# KiCad board panel2.kicad_pcb (continued)
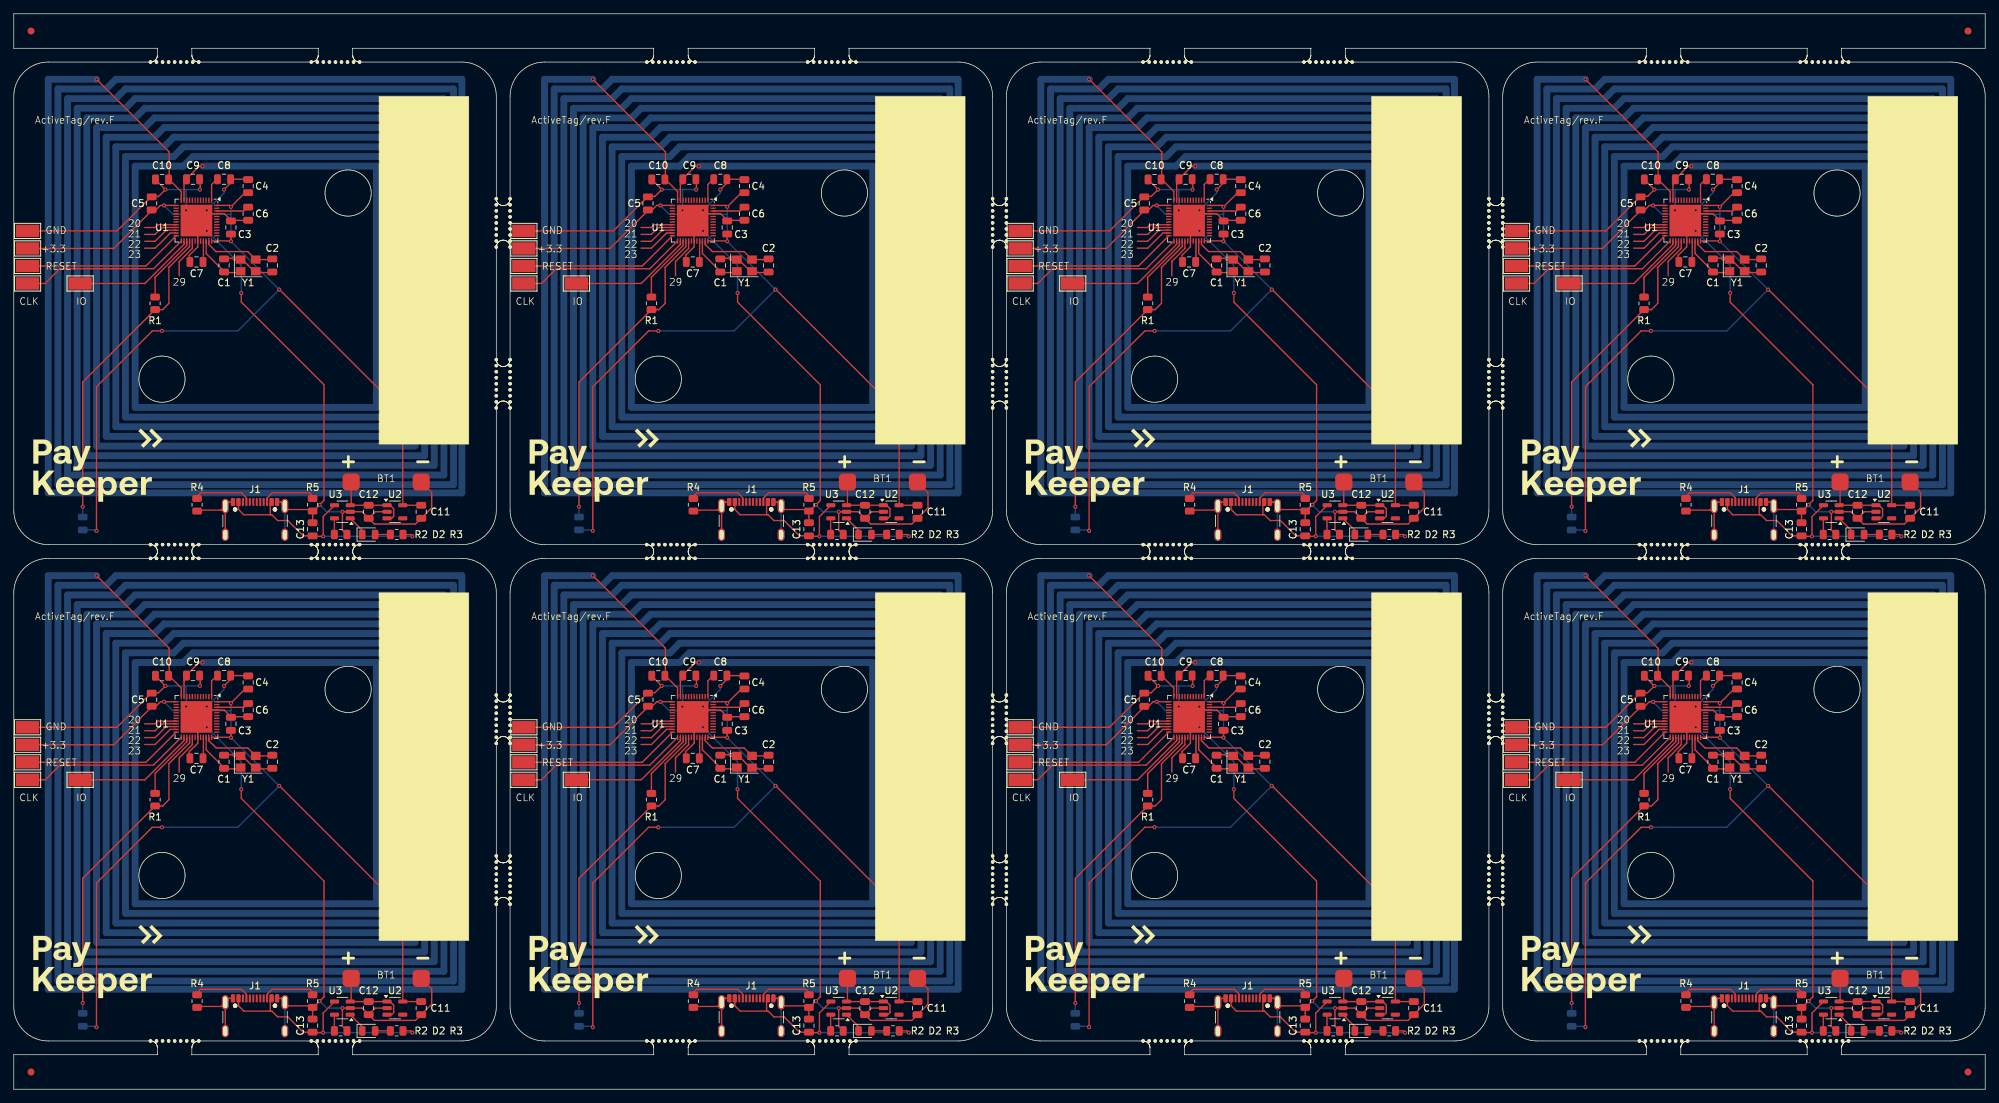
[diagram p0: board, top side]
## Placement (name value [footprint] x y rotation side) (continued)
KiKit_MB_35_7  -  [NPTH]  72 55.42 0 top
KiKit_MB_35_8  -  [NPTH]  72 56.29 0 top
KiKit_MB_35_9  -  [NPTH]  72 57.17 0 top
KiKit_MB_36_1  -  [NPTH]  72 26.83 0 top
KiKit_MB_36_2  -  [NPTH]  72 27.71 0 top
KiKit_MB_36_3  -  [NPTH]  72 28.58 0 top
KiKit_MB_36_4  -  [NPTH]  72 29.46 0 top
KiKit_MB_36_5  -  [NPTH]  72 30.34 0 top
KiKit_MB_36_6  -  [NPTH]  72 31.21 0 top
KiKit_MB_36_7  -  [NPTH]  72 32.09 0 top
KiKit_MB_36_8  -  [NPTH]  72 32.96 0 top
KiKit_MB_36_9  -  [NPTH]  72 33.84 0 top
KiKit_MB_37_1  -  [NPTH]  142 57.17 0 top
KiKit_MB_37_2  -  [NPTH]  142 56.29 0 top
KiKit_MB_37_3  -  [NPTH]  142 55.42 0 top
KiKit_MB_37_4  -  [NPTH]  142 54.54 0 top
KiKit_MB_37_5  -  [NPTH]  142 53.67 0 top
KiKit_MB_37_6  -  [NPTH]  142 52.79 0 top
KiKit_MB_37_7  -  [NPTH]  142 51.92 0 top
KiKit_MB_37_8  -  [NPTH]  142 51.04 0 top
KiKit_MB_37_9  -  [NPTH]  142 50.17 0 top
KiKit_MB_38_1  -  [NPTH]  142 33.84 0 top
KiKit_MB_38_2  -  [NPTH]  142 32.96 0 top
KiKit_MB_38_3  -  [NPTH]  142 32.09 0 top
KiKit_MB_38_4  -  [NPTH]  142 31.21 0 top
KiKit_MB_38_5  -  [NPTH]  142 30.34 0 top
KiKit_MB_38_6  -  [NPTH]  142 29.46 0 top
KiKit_MB_38_7  -  [NPTH]  142 28.58 0 top
KiKit_MB_38_8  -  [NPTH]  142 27.71 0 top
KiKit_MB_38_9  -  [NPTH]  142 26.83 0 top
KiKit_MB_39_1  -  [NPTH]  91.83 77 0 top
KiKit_MB_39_2  -  [NPTH]  92.71 77 0 top
KiKit_MB_39_3  -  [NPTH]  93.58 77 0 top
KiKit_MB_39_4  -  [NPTH]  94.46 77 0 top
KiKit_MB_39_5  -  [NPTH]  95.33 77 0 top
KiKit_MB_39_6  -  [NPTH]  96.21 77 0 top
KiKit_MB_39_7  -  [NPTH]  97.08 77 0 top
KiKit_MB_39_8  -  [NPTH]  97.96 77 0 top
KiKit_MB_39_9  -  [NPTH]  98.83 77 0 top
KiKit_MB_40_1  -  [NPTH]  115.17 77 0 top
KiKit_MB_40_2  -  [NPTH]  116.04 77 0 top
KiKit_MB_40_3  -  [NPTH]  116.92 77 0 top
KiKit_MB_40_4  -  [NPTH]  117.79 77 0 top
KiKit_MB_40_5  -  [NPTH]  118.67 77 0 top
KiKit_MB_40_6  -  [NPTH]  119.54 77 0 top
KiKit_MB_40_7  -  [NPTH]  120.42 77 0 top
KiKit_MB_40_8  -  [NPTH]  121.29 77 0 top
KiKit_MB_40_9  -  [NPTH]  122.17 77 0 top
KiKit_MB_41_1  -  [NPTH]  98.83 7 0 top
KiKit_MB_41_2  -  [NPTH]  97.96 7 0 top
KiKit_MB_41_3  -  [NPTH]  97.08 7 0 top
KiKit_MB_41_4  -  [NPTH]  96.21 7 0 top
KiKit_MB_41_5  -  [NPTH]  95.33 7 0 top
KiKit_MB_41_6  -  [NPTH]  94.46 7 0 top
KiKit_MB_41_7  -  [NPTH]  93.58 7 0 top
KiKit_MB_41_8  -  [NPTH]  92.71 7 0 top
KiKit_MB_41_9  -  [NPTH]  91.83 7 0 top
KiKit_MB_42_1  -  [NPTH]  122.17 7 0 top
KiKit_MB_42_2  -  [NPTH]  121.29 7 0 top
KiKit_MB_42_3  -  [NPTH]  120.42 7 0 top
KiKit_MB_42_4  -  [NPTH]  119.54 7 0 top
KiKit_MB_42_5  -  [NPTH]  118.67 7 0 top
KiKit_MB_42_6  -  [NPTH]  117.79 7 0 top
KiKit_MB_42_7  -  [NPTH]  116.92 7 0 top
KiKit_MB_42_8  -  [NPTH]  116.04 7 0 top
KiKit_MB_42_9  -  [NPTH]  115.17 7 0 top
KiKit_MB_43_1  -  [NPTH]  144 50.17 0 top
KiKit_MB_43_2  -  [NPTH]  144 51.04 0 top
KiKit_MB_43_3  -  [NPTH]  144 51.92 0 top
KiKit_MB_43_4  -  [NPTH]  144 52.79 0 top
KiKit_MB_43_5  -  [NPTH]  144 53.67 0 top
KiKit_MB_43_6  -  [NPTH]  144 54.54 0 top
KiKit_MB_43_7  -  [NPTH]  144 55.42 0 top
KiKit_MB_43_8  -  [NPTH]  144 56.29 0 top
KiKit_MB_43_9  -  [NPTH]  144 57.17 0 top
KiKit_MB_44_1  -  [NPTH]  144 26.83 0 top
KiKit_MB_44_2  -  [NPTH]  144 27.71 0 top
KiKit_MB_44_3  -  [NPTH]  144 28.58 0 top
KiKit_MB_44_4  -  [NPTH]  144 29.46 0 top
KiKit_MB_44_5  -  [NPTH]  144 30.34 0 top
KiKit_MB_44_6  -  [NPTH]  144 31.21 0 top
KiKit_MB_44_7  -  [NPTH]  144 32.09 0 top
KiKit_MB_44_8  -  [NPTH]  144 32.96 0 top
KiKit_MB_44_9  -  [NPTH]  144 33.84 0 top
KiKit_MB_45_1  -  [NPTH]  214 57.17 0 top
KiKit_MB_45_2  -  [NPTH]  214 56.29 0 top
KiKit_MB_45_3  -  [NPTH]  214 55.42 0 top
KiKit_MB_45_4  -  [NPTH]  214 54.54 0 top
KiKit_MB_45_5  -  [NPTH]  214 53.67 0 top
KiKit_MB_45_6  -  [NPTH]  214 52.79 0 top
KiKit_MB_45_7  -  [NPTH]  214 51.92 0 top
KiKit_MB_45_8  -  [NPTH]  214 51.04 0 top
KiKit_MB_45_9  -  [NPTH]  214 50.17 0 top
KiKit_MB_46_1  -  [NPTH]  214 33.84 0 top
KiKit_MB_46_2  -  [NPTH]  214 32.96 0 top
KiKit_MB_46_3  -  [NPTH]  214 32.09 0 top
KiKit_MB_46_4  -  [NPTH]  214 31.21 0 top
KiKit_MB_46_5  -  [NPTH]  214 30.34 0 top
KiKit_MB_46_6  -  [NPTH]  214 29.46 0 top
KiKit_MB_46_7  -  [NPTH]  214 28.58 0 top
KiKit_MB_46_8  -  [NPTH]  214 27.71 0 top
KiKit_MB_46_9  -  [NPTH]  214 26.83 0 top
KiKit_MB_47_1  -  [NPTH]  163.83 77 0 top
KiKit_MB_47_2  -  [NPTH]  164.71 77 0 top
KiKit_MB_47_3  -  [NPTH]  165.58 77 0 top
KiKit_MB_47_4  -  [NPTH]  166.46 77 0 top
KiKit_MB_47_5  -  [NPTH]  167.33 77 0 top
KiKit_MB_47_6  -  [NPTH]  168.21 77 0 top
KiKit_MB_47_7  -  [NPTH]  169.08 77 0 top
KiKit_MB_47_8  -  [NPTH]  169.96 77 0 top
KiKit_MB_47_9  -  [NPTH]  170.83 77 0 top
KiKit_MB_48_1  -  [NPTH]  187.17 77 0 top
KiKit_MB_48_2  -  [NPTH]  188.04 77 0 top
KiKit_MB_48_3  -  [NPTH]  188.92 77 0 top
KiKit_MB_48_4  -  [NPTH]  189.79 77 0 top
KiKit_MB_48_5  -  [NPTH]  190.67 77 0 top
KiKit_MB_48_6  -  [NPTH]  191.54 77 0 top
KiKit_MB_48_7  -  [NPTH]  192.42 77 0 top
KiKit_MB_48_8  -  [NPTH]  193.29 77 0 top
KiKit_MB_48_9  -  [NPTH]  194.17 77 0 top
KiKit_MB_49_1  -  [NPTH]  170.83 7 0 top
KiKit_MB_49_2  -  [NPTH]  169.96 7 0 top
KiKit_MB_49_3  -  [NPTH]  169.08 7 0 top
KiKit_MB_49_4  -  [NPTH]  168.21 7 0 top
KiKit_MB_49_5  -  [NPTH]  167.33 7 0 top
KiKit_MB_49_6  -  [NPTH]  166.46 7 0 top
KiKit_MB_49_7  -  [NPTH]  165.58 7 0 top
KiKit_MB_49_8  -  [NPTH]  164.71 7 0 top
KiKit_MB_49_9  -  [NPTH]  163.83 7 0 top
KiKit_MB_50_1  -  [NPTH]  194.17 7 0 top
KiKit_MB_50_2  -  [NPTH]  193.29 7 0 top
KiKit_MB_50_3  -  [NPTH]  192.42 7 0 top
KiKit_MB_50_4  -  [NPTH]  191.54 7 0 top
KiKit_MB_50_5  -  [NPTH]  190.67 7 0 top
KiKit_MB_50_6  -  [NPTH]  189.79 7 0 top
KiKit_MB_50_7  -  [NPTH]  188.92 7 0 top
KiKit_MB_50_8  -  [NPTH]  188.04 7 0 top
KiKit_MB_50_9  -  [NPTH]  187.17 7 0 top
KiKit_MB_51_1  -  [NPTH]  216 50.17 0 top
KiKit_MB_51_2  -  [NPTH]  216 51.04 0 top
KiKit_MB_51_3  -  [NPTH]  216 51.92 0 top
KiKit_MB_51_4  -  [NPTH]  216 52.79 0 top
KiKit_MB_51_5  -  [NPTH]  216 53.67 0 top
KiKit_MB_51_6  -  [NPTH]  216 54.54 0 top
KiKit_MB_51_7  -  [NPTH]  216 55.42 0 top
KiKit_MB_51_8  -  [NPTH]  216 56.29 0 top
KiKit_MB_51_9  -  [NPTH]  216 57.17 0 top
KiKit_MB_52_1  -  [NPTH]  216 26.83 0 top
KiKit_MB_52_2  -  [NPTH]  216 27.71 0 top
KiKit_MB_52_3  -  [NPTH]  216 28.58 0 top
KiKit_MB_52_4  -  [NPTH]  216 29.46 0 top
KiKit_MB_52_5  -  [NPTH]  216 30.34 0 top
KiKit_MB_52_6  -  [NPTH]  216 31.21 0 top
KiKit_MB_52_7  -  [NPTH]  216 32.09 0 top
KiKit_MB_52_8  -  [NPTH]  216 32.96 0 top
KiKit_MB_52_9  -  [NPTH]  216 33.84 0 top
KiKit_MB_53_1  -  [NPTH]  235.83 77 0 top
KiKit_MB_53_2  -  [NPTH]  236.71 77 0 top
KiKit_MB_53_3  -  [NPTH]  237.58 77 0 top
KiKit_MB_53_4  -  [NPTH]  238.46 77 0 top
KiKit_MB_53_5  -  [NPTH]  239.33 77 0 top
KiKit_MB_53_6  -  [NPTH]  240.21 77 0 top
KiKit_MB_53_7  -  [NPTH]  241.08 77 0 top
KiKit_MB_53_8  -  [NPTH]  241.96 77 0 top
KiKit_MB_53_9  -  [NPTH]  242.83 77 0 top
KiKit_MB_54_1  -  [NPTH]  259.17 77 0 top
KiKit_MB_54_2  -  [NPTH]  260.04 77 0 top
KiKit_MB_54_3  -  [NPTH]  260.92 77 0 top
KiKit_MB_54_4  -  [NPTH]  261.79 77 0 top
KiKit_MB_54_5  -  [NPTH]  262.67 77 0 top
KiKit_MB_54_6  -  [NPTH]  263.54 77 0 top
KiKit_MB_54_7  -  [NPTH]  264.42 77 0 top
KiKit_MB_54_8  -  [NPTH]  265.29 77 0 top
KiKit_MB_54_9  -  [NPTH]  266.17 77 0 top
KiKit_MB_55_1  -  [NPTH]  242.83 7 0 top
KiKit_MB_55_2  -  [NPTH]  241.96 7 0 top
KiKit_MB_55_3  -  [NPTH]  241.08 7 0 top
KiKit_MB_55_4  -  [NPTH]  240.21 7 0 top
KiKit_MB_55_5  -  [NPTH]  239.33 7 0 top
KiKit_MB_55_6  -  [NPTH]  238.46 7 0 top
KiKit_MB_55_7  -  [NPTH]  237.58 7 0 top
KiKit_MB_55_8  -  [NPTH]  236.71 7 0 top
KiKit_MB_55_9  -  [NPTH]  235.83 7 0 top
KiKit_MB_56_1  -  [NPTH]  266.17 7 0 top
KiKit_MB_56_2  -  [NPTH]  265.29 7 0 top
KiKit_MB_56_3  -  [NPTH]  264.42 7 0 top
KiKit_MB_56_4  -  [NPTH]  263.54 7 0 top
KiKit_MB_56_5  -  [NPTH]  262.67 7 0 top
KiKit_MB_56_6  -  [NPTH]  261.79 7 0 top
KiKit_MB_56_7  -  [NPTH]  260.92 7 0 top
KiKit_MB_56_8  -  [NPTH]  260.04 7 0 top
KiKit_MB_56_9  -  [NPTH]  259.17 7 0 top
R1  75  [R_0805_2012Metric]  92.5 42 270 top
R1#2  75  [R_0805_2012Metric]  20.5 114 270 top
R1#3  75  [R_0805_2012Metric]  164.5 42 270 top
R1#4  75  [R_0805_2012Metric]  20.5 42 270 top
R1#5  75  [R_0805_2012Metric]  236.5 114 270 top
R1#6  75  [R_0805_2012Metric]  92.5 114 270 top
R1#7  75  [R_0805_2012Metric]  236.5 42 270 top
R1#8  75  [R_0805_2012Metric]  164.5 114 270 top
R2  10k  [R_0805_2012Metric]  191.42 8.46 0 top
R2#2  10k  [R_0805_2012Metric]  47.42 80.46 0 top
R2#3  10k  [R_0805_2012Metric]  191.42 80.46 0 top
R2#4  10k  [R_0805_2012Metric]  47.42 8.46 0 top
R2#5  10k  [R_0805_2012Metric]  119.42 80.46 0 top
R2#6  10k  [R_0805_2012Metric]  263.42 8.46 0 top
R2#7  10k  [R_0805_2012Metric]  119.42 8.46 0 top
R2#8  10k  [R_0805_2012Metric]  263.42 80.46 0 top
R3  5.1k  [R_0805_2012Metric]  199.55 8.46 180 top
R3#2  5.1k  [R_0805_2012Metric]  127.55 80.46 180 top
R3#3  5.1k  [R_0805_2012Metric]  271.55 8.46 180 top
R3#4  5.1k  [R_0805_2012Metric]  271.55 80.46 180 top
R3#5  5.1k  [R_0805_2012Metric]  127.55 8.46 180 top
R3#6  5.1k  [R_0805_2012Metric]  55.55 8.46 180 top
R3#7  5.1k  [R_0805_2012Metric]  199.55 80.46 180 top
R3#8  5.1k  [R_0805_2012Metric]  55.55 80.46 180 top
R4  5.1k  [R_0805_2012Metric]  26.59 84.78 90 top
R4#2  5.1k  [R_0805_2012Metric]  242.59 12.78 90 top
R4#3  5.1k  [R_0805_2012Metric]  242.59 84.78 90 top
R4#4  5.1k  [R_0805_2012Metric]  170.59 84.78 90 top
R4#5  5.1k  [R_0805_2012Metric]  26.59 12.78 90 top
R4#6  5.1k  [R_0805_2012Metric]  98.59 84.78 90 top
R4#7  5.1k  [R_0805_2012Metric]  170.59 12.78 90 top
R4#8  5.1k  [R_0805_2012Metric]  98.59 12.78 90 top
R5  5.1k  [R_0805_2012Metric]  43.35 84.78 270 top
R5#2  5.1k  [R_0805_2012Metric]  259.35 84.78 270 top
R5#3  5.1k  [R_0805_2012Metric]  115.35 12.78 270 top
R5#4  5.1k  [R_0805_2012Metric]  187.35 84.78 270 top
R5#5  5.1k  [R_0805_2012Metric]  43.35 12.78 270 top
R5#6  5.1k  [R_0805_2012Metric]  187.35 12.78 270 top
R5#7  5.1k  [R_0805_2012Metric]  259.35 12.78 270 top
R5#8  5.1k  [R_0805_2012Metric]  115.35 84.78 270 top
TP1  IO  [TestPoint_Keystone_5015_Micro-Minature]  81.62 116.88 0 top
TP1#2  IO  [TestPoint_Keystone_5015_Micro-Minature]  81.62 44.88 0 top
TP1#3  IO  [TestPoint_Keystone_5015_Micro-Minature]  225.62 116.88 0 top
TP1#4  IO  [TestPoint_Keystone_5015_Micro-Minature]  9.62 116.88 0 top
TP1#5  IO  [TestPoint_Keystone_5015_Micro-Minature]  225.62 44.88 0 top
TP1#6  IO  [TestPoint_Keystone_5015_Micro-Minature]  9.62 44.88 0 top
TP1#7  IO  [TestPoint_Keystone_5015_Micro-Minature]  153.62 116.88 0 top
TP1#8  IO  [TestPoint_Keystone_5015_Micro-Minature]  153.62 44.88 0 top
TP2  CLK  [TestPoint_Keystone_5015_Micro-Minature]  146 44.88 0 top
TP2#2  CLK  [TestPoint_Keystone_5015_Micro-Minature]  146 116.88 0 top
TP2#3  CLK  [TestPoint_Keystone_5015_Micro-Minature]  2 44.88 0 top
TP2#4  CLK  [TestPoint_Keystone_5015_Micro-Minature]  2 116.88 0 top
TP2#5  CLK  [TestPoint_Keystone_5015_Micro-Minature]  74 44.88 0 top
TP2#6  CLK  [TestPoint_Keystone_5015_Micro-Minature]  74 116.88 0 top
TP2#7  CLK  [TestPoint_Keystone_5015_Micro-Minature]  218 116.88 0 top
TP2#8  CLK  [TestPoint_Keystone_5015_Micro-Minature]  218 44.88 0 top
TP3  RESET  [TestPoint_Keystone_5015_Micro-Minature]  74 47.42 0 top
TP3#2  RESET  [TestPoint_Keystone_5015_Micro-Minature]  74 119.42 0 top
TP3#3  RESET  [TestPoint_Keystone_5015_Micro-Minature]  218 119.42 0 top
TP3#4  RESET  [TestPoint_Keystone_5015_Micro-Minature]  2 47.42 0 top
TP3#5  RESET  [TestPoint_Keystone_5015_Micro-Minature]  2 119.42 0 top
TP3#6  RESET  [TestPoint_Keystone_5015_Micro-Minature]  146 119.42 0 top
TP3#7  RESET  [TestPoint_Keystone_5015_Micro-Minature]  218 47.42 0 top
TP3#8  RESET  [TestPoint_Keystone_5015_Micro-Minature]  146 47.42 0 top
TP4  GND  [TestPoint_Keystone_5015_Micro-Minature]  146 124.5 0 top
TP4#2  GND  [TestPoint_Keystone_5015_Micro-Minature]  74 52.5 0 top
TP4#3  GND  [TestPoint_Keystone_5015_Micro-Minature]  2 124.5 0 top
TP4#4  GND  [TestPoint_Keystone_5015_Micro-Minature]  74 124.5 0 top
TP4#5  GND  [TestPoint_Keystone_5015_Micro-Minature]  218 52.5 0 top
TP4#6  GND  [TestPoint_Keystone_5015_Micro-Minature]  218 124.5 0 top
TP4#7  GND  [TestPoint_Keystone_5015_Micro-Minature]  146 52.5 0 top
TP4#8  GND  [TestPoint_Keystone_5015_Micro-Minature]  2 52.5 0 top
TP5  +3.3  [TestPoint_Keystone_5015_Micro-Minature]  74 121.96 0 top
TP5#2  +3.3  [TestPoint_Keystone_5015_Micro-Minature]  218 121.96 0 top
TP5#3  +3.3  [TestPoint_Keystone_5015_Micro-Minature]  2 49.96 0 top
TP5#4  +3.3  [TestPoint_Keystone_5015_Micro-Minature]  74 49.96 0 top
TP5#5  +3.3  [TestPoint_Keystone_5015_Micro-Minature]  2 121.96 0 top
TP5#6  +3.3  [TestPoint_Keystone_5015_Micro-Minature]  146 121.96 0 top
TP5#7  +3.3  [TestPoint_Keystone_5015_Micro-Minature]  218 49.96 0 top
TP5#8  +3.3  [TestPoint_Keystone_5015_Micro-Minature]  146 49.96 0 top
U1  nRF52832-QFxx  [QFN-48-1EP_6x6mm_P0.4mm_EP4.6x4.6mm]  242.5 54 270 top
U1#2  nRF52832-QFxx  [QFN-48-1EP_6x6mm_P0.4mm_EP4.6x4.6mm]  242.5 126 270 top
U1#3  nRF52832-QFxx  [QFN-48-1EP_6x6mm_P0.4mm_EP4.6x4.6mm]  26.5 54 270 top
U1#4  nRF52832-QFxx  [QFN-48-1EP_6x6mm_P0.4mm_EP4.6x4.6mm]  98.5 126 270 top
U1#5  nRF52832-QFxx  [QFN-48-1EP_6x6mm_P0.4mm_EP4.6x4.6mm]  98.5 54 270 top
U1#6  nRF52832-QFxx  [QFN-48-1EP_6x6mm_P0.4mm_EP4.6x4.6mm]  170.5 126 270 top
U1#7  nRF52832-QFxx  [QFN-48-1EP_6x6mm_P0.4mm_EP4.6x4.6mm]  26.5 126 270 top
U1#8  nRF52832-QFxx  [QFN-48-1EP_6x6mm_P0.4mm_EP4.6x4.6mm]  170.5 54 270 top
U2  RS3002-3.3SYF5  [SOT-23-5]  199.29 83.76 0 top
U2#2  RS3002-3.3SYF5  [SOT-23-5]  271.29 83.76 0 top
U2#3  RS3002-3.3SYF5  [SOT-23-5]  127.29 11.76 0 top
U2#4  RS3002-3.3SYF5  [SOT-23-5]  55.29 83.76 0 top
U2#5  RS3002-3.3SYF5  [SOT-23-5]  199.29 11.76 0 top
U2#6  RS3002-3.3SYF5  [SOT-23-5]  271.29 11.76 0 top
U2#7  RS3002-3.3SYF5  [SOT-23-5]  127.29 83.76 0 top
U2#8  RS3002-3.3SYF5  [SOT-23-5]  55.29 11.76 0 top
U3  LTC4054ES5-4.2  [TSOT-23-5]  119.67 83.76 180 top
U3#2  LTC4054ES5-4.2  [TSOT-23-5]  263.67 83.76 180 top
U3#3  LTC4054ES5-4.2  [TSOT-23-5]  263.67 11.76 180 top
U3#4  LTC4054ES5-4.2  [TSOT-23-5]  119.67 11.76 180 top
U3#5  LTC4054ES5-4.2  [TSOT-23-5]  191.67 11.76 180 top
U3#6  LTC4054ES5-4.2  [TSOT-23-5]  191.67 83.76 180 top
U3#7  LTC4054ES5-4.2  [TSOT-23-5]  47.67 11.76 180 top
U3#8  LTC4054ES5-4.2  [TSOT-23-5]  47.67 83.76 180 top
Y1  32Mhz  [Crystal_SMD_3225-4Pin_3.2x2.5mm]  34 119.5 0 top
Y1#2  32Mhz  [Crystal_SMD_3225-4Pin_3.2x2.5mm]  250 119.5 0 top
Y1#3  32Mhz  [Crystal_SMD_3225-4Pin_3.2x2.5mm]  250 47.5 0 top
Y1#4  32Mhz  [Crystal_SMD_3225-4Pin_3.2x2.5mm]  34 47.5 0 top
Y1#5  32Mhz  [Crystal_SMD_3225-4Pin_3.2x2.5mm]  106 119.5 0 top
Y1#6  32Mhz  [Crystal_SMD_3225-4Pin_3.2x2.5mm]  178 47.5 0 top
Y1#7  32Mhz  [Crystal_SMD_3225-4Pin_3.2x2.5mm]  178 119.5 0 top
Y1#8  32Mhz  [Crystal_SMD_3225-4Pin_3.2x2.5mm]  106 47.5 0 top

## Library data of the parts
BT1 BT1#2-BT1#8 = -: Description: Single-cell battery
C1 C1#2-C1#8 C2 C2#2-C2#8 C3 C3#2-C3#8 C4 C4#2-C4#8 C5 C5#2-C5#8 C6 C6#2-C6#8 C7 C7#2-C7#8 C8 C8#2-C8#8 C9 C9#2-C9#8 C10 C10#2-C10#8 C11 C11#2-C11#8 C12 C12#2-C12#8 C13 C13#2-C13#8 = -: Description: Unpolarized capacitor, small symbol
D1 D1#2-D1#8 D2 D2#2-D2#8 = -: Description: Light emitting diode, small symbol
J1 J1#2-J1#8 = -: Datasheet: https://www.usb.org/sites/default/files/documents/usb_type-c.zip; Description: USB 2.0-only 16P Type-C Receptacle connector
R1 R1#2-R1#8 R2 R2#2-R2#8 R3 R3#2-R3#8 R4 R4#2-R4#8 R5 R5#2-R5#8 = -: Description: Resistor, small symbol
TP1 TP1#2-TP1#8 TP2 TP2#2-TP2#8 TP3 TP3#2-TP3#8 TP4 TP4#2-TP4#8 TP5 TP5#2-TP5#8 = -: Description: test point
U1 U1#2-U1#8 = -: Datasheet: http://infocenter.nordicsemi.com/pdf/nRF52832_PS_v1.4.pdf; Description: Multiprotocol BLE/2.4GHz Cortex-M4 SoC, QFN-48
U2 U2#2-U2#8 = -: Datasheet: http://www.ti.com/lit/ds/symlink/tlv712.pdf; Description: 300mA Low Dropout Voltage Regulator, Fixed Output 0.9V, SOT-23-5
U3 U3#2-U3#8 = -: Datasheet: https://www.analog.com/media/en/technical-documentation/data-sheets/405442xf.pdf; Description: Constant-current/constant-voltage linear charger for single cell lithium-ion batteries with 2.9V Trickle Charge, 4.5V to 6.5V VDD, -40 to +85 degree Celsius, TSOT-23-5
Y1 Y1#2-Y1#8 = -: Description: Four pin crystal, GND on pins 2 and 3, small symbol; PN: SJK-7U-32.000-16-10-40-B-20

## Footprints (pads in the part's own frame, mm; a bottom-side part is the same pattern mirrored in y, then rotated)
C_0805_2012Metric
  rrect 1x1.45 smd: 1(-0.95,0) 2(0.95,0)
Crystal_SMD_3225-4Pin_3.2x2.5mm
  rect 1.4x1.2 smd: 1(-1.1,-0.85) 2(1.1,-0.85) 3(1.1,0.85) 4(-1.1,0.85)
Fiducial
  round 1 smd: (0,0)
LED_0805_2012Metric
  rrect 0.975x1.4 smd: 1(-0.938,0) 2(0.938,0)
li-pol
  rrect 2.5x2.5 smd: 1(-5.08,0) 2(5.08,0)
NPTH
  round 0.5 hole 0.5 unplated: (0,0)
QFN-48-1EP_6x6mm_P0.4mm_EP4.6x4.6mm
  rrect 1.24x1.24 smd: (-1.53,1.53) (-1.53,0) (-1.53,-1.53) (0,1.53) (0,0) (0,-1.53) (1.53,1.53) (1.53,0) (1.53,-1.53)
  rrect 0.8x0.2 smd: 1(-2.95,2.2) 2(-2.95,1.8) 3(-2.95,1.4) 4(-2.95,1) 5(-2.95,0.6) 6(-2.95,0.2) 7(-2.95,-0.2) 8(-2.95,-0.6) 9(-2.95,-1) 10(-2.95,-1.4) 11(-2.95,-1.8) 12(-2.95,-2.2) 25(2.95,-2.2) 26(2.95,-1.8) 27(2.95,-1.4) 28(2.95,-1) 29(2.95,-0.6) 30(2.95,-0.2) 31(2.95,0.2) 32(2.95,0.6) 33(2.95,1) 34(2.95,1.4) 35(2.95,1.8) 36(2.95,2.2)
  rrect 0.2x0.8 smd: 13(-2.2,-2.95) 14(-1.8,-2.95) 15(-1.4,-2.95) 16(-1,-2.95) 17(-0.6,-2.95) 18(-0.2,-2.95) 19(0.2,-2.95) 20(0.6,-2.95) 21(1,-2.95) 22(1.4,-2.95) 23(1.8,-2.95) 24(2.2,-2.95) 37(2.2,2.95) 38(1.8,2.95) 39(1.4,2.95) 40(1,2.95) 41(0.6,2.95) 42(0.2,2.95) 43(-0.2,2.95) 44(-0.6,2.95) 45(-1,2.95) 46(-1.4,2.95) 47(-1.8,2.95) 48(-2.2,2.95)
  rect 4.6x4.6 smd: 49(0,0)
R_0805_2012Metric
  rrect 1.025x1.4 smd: 1(-0.912,0) 2(0.912,0)
SOT-23-5
  rrect 1.325x0.6 smd: 1(-1.137,0.95) 2(-1.137,0) 3(-1.137,-0.95) 4(1.137,-0.95) 5(1.137,0.95)
TestPoint_Keystone_5015_Micro-Minature
  rect 3.4x1.8 smd: 1(0,0)
TSOT-23-5
  rrect 1.325x0.6 smd: 1(-1.137,0.95) 2(-1.137,0) 3(-1.137,-0.95) 4(1.137,-0.95) 5(1.137,0.95)
USB_C_Receptacle_GCT_USB4105-xx-A_16P_TopMnt_Horizontal
  round 0.65 hole 0.65 unplated: (-2.89,2.605) (2.89,2.605)
  rrect 0.6x1.15 smd: A1(-3.2,3.68) A4(-2.4,3.68) A9(2.4,3.68) A12(3.2,3.68) B1(3.2,3.68) B4(2.4,3.68) B9(-2.4,3.68) B12(-3.2,3.68)
  rrect 0.3x1.15 smd: A5(-1.25,3.68) A6(-0.25,3.68) A7(0.25,3.68) A8(1.25,3.68) B5(1.75,3.68) B6(0.75,3.68) B7(-0.75,3.68) B8(-1.75,3.68)
  oval 1x2.1 hole 0.6x1.7: S1(-4.32,3.105) S1(4.32,3.105)
  oval 1x1.8 hole 0.6x1.4: S1(-4.32,-1.075) S1(4.32,-1.075)

## Nets
Board_0-+3.3V: C3.1 C4#6.1 C5#8.1 C11#5.1 D1#3.2 TP5#5.1 U1#7.13 U1#7.36 U1#7.48 U2#4.5
Board_0-GND: BT1.2 C1.2 C2#6.2 C3.2 C4#6.2 C5#8.2 C6#7.2 C7#6.2 C8#7.2 C9#3.1 C10.2 C11#5.2 C12#2.2 C13#3.2 J1#4.A1 J1#4.A12 J1#4.B1 J1#4.B12 J1#4.S1 R2#2.2 R4.1 R5.2 TP4#3.1 U1#7.31 U1#7.45 U1#7.49 U2#4.2 U3#8.2 Y1.2 Y1.4
Board_0-Net-(BT1-+): BT1.1 C12#2.1 U2#4.1 U2#4.3 U3#8.3
Board_0-Net-(D1-K): D1#3.1 R1#2.2 U1#7.28
Board_0-Net-(D2-A): D2#6.2 R3#8.2
Board_0-Net-(D2-K): D2#6.1 U3#8.1
Board_0-Net-(J1-CC1): J1#4.A5 R4.2
Board_0-Net-(J1-CC2): J1#4.B5 R5.1
Board_0-Net-(U1-DEC1): C8#7.1 U1#7.1
Board_0-Net-(U1-DEC3): C7#6.1 U1#7.33
Board_0-Net-(U1-DEC4): C6#7.1 U1#7.46
Board_0-Net-(U1-NFC1/P0.09): C9#3.2 C10.1 U1#7.11 U1#7.12
Board_0-Net-(U1-P0.21/~{RESET}): TP3#5.1 U1#7.24
Board_0-Net-(U1-P0.22): R1#2.1 U1#7.27
Board_0-Net-(U1-SWDCLK): TP2#4.1 U1#7.25
Board_0-Net-(U1-SWDIO): TP1#4.1 U1#7.26
Board_0-Net-(U1-XC1): C1.1 U1#7.34 Y1.1
Board_0-Net-(U1-XC2): C2#6.1 U1#7.35 Y1.3
Board_0-Net-(U3-PROG): R2#2.1 U3#8.5
Board_0-Net-(U3-V_{CC}): C13#3.1 J1#4.A4 J1#4.A9 J1#4.B4 J1#4.B9 R3#8.1 U3#8.4
Board_0-unconnected-(J1-D+-PadA6): J1#4.A6
Board_0-unconnected-(J1-D+-PadB6): J1#4.B6
Board_0-unconnected-(J1-D--PadA7): J1#4.A7
Board_0-unconnected-(J1-D--PadB7): J1#4.B7
Board_0-unconnected-(J1-SBU1-PadA8): J1#4.A8
Board_0-unconnected-(J1-SBU2-PadB8): J1#4.B8
Board_0-unconnected-(U1-ANT-Pad30): U1#7.30
Board_0-unconnected-(U1-DCC-Pad47): U1#7.47
Board_0-unconnected-(U1-DEC2-Pad32): U1#7.32
Board_0-unconnected-(U1-NC-Pad44): U1#7.44
Board_0-unconnected-(U1-P0.00/XL1-Pad2): U1#7.2
Board_0-unconnected-(U1-P0.01/XL2-Pad3): U1#7.3
Board_0-unconnected-(U1-P0.02/AIN0-Pad4): U1#7.4
Board_0-unconnected-(U1-P0.03/AIN1-Pad5): U1#7.5
Board_0-unconnected-(U1-P0.04/AIN2-Pad6): U1#7.6
Board_0-unconnected-(U1-P0.05/AIN3-Pad7): U1#7.7
Board_0-unconnected-(U1-P0.06-Pad8): U1#7.8
Board_0-unconnected-(U1-P0.07-Pad9): U1#7.9
Board_0-unconnected-(U1-P0.08-Pad10): U1#7.10
Board_0-unconnected-(U1-P0.11-Pad14): U1#7.14
Board_0-unconnected-(U1-P0.12-Pad15): U1#7.15
Board_0-unconnected-(U1-P0.13-Pad16): U1#7.16
Board_0-unconnected-(U1-P0.14-Pad17): U1#7.17
Board_0-unconnected-(U1-P0.15-Pad18): U1#7.18
Board_0-unconnected-(U1-P0.16-Pad19): U1#7.19
Board_0-unconnected-(U1-P0.17-Pad20): U1#7.20
Board_0-unconnected-(U1-P0.18/SWO-Pad21): U1#7.21
Board_0-unconnected-(U1-P0.19-Pad22): U1#7.22
Board_0-unconnected-(U1-P0.20-Pad23): U1#7.23
Board_0-unconnected-(U1-P0.24-Pad29): U1#7.29
Board_0-unconnected-(U1-P0.25-Pad37): U1#7.37
Board_0-unconnected-(U1-P0.26-Pad38): U1#7.38
Board_0-unconnected-(U1-P0.27-Pad39): U1#7.39
Board_0-unconnected-(U1-P0.28/AIN4-Pad40): U1#7.40
Board_0-unconnected-(U1-P0.29/AIN5-Pad41): U1#7.41
Board_0-unconnected-(U1-P0.30/AIN6-Pad42): U1#7.42
Board_0-unconnected-(U1-P0.31/AIN7-Pad43): U1#7.43
Board_0-unconnected-(U2-NC-Pad4): U2#4.4
Board_1-+3.3V: C3#6.1 C4#5.1 C5.1 C11#3.1 D1#4.2 TP5.1 U1#4.13 U1#4.36 U1#4.48 U2#7.5
Board_1-GND: BT1#8.2 C1#3.2 C2#4.2 C3#6.2 C4#5.2 C5.2 C6#8.2 C7#2.2 C8#4.2 C9.1 C10#5.2 C11#3.2 C12#5.2 C13#5.2 J1#2.A1 J1#2.A12 J1#2.B1 J1#2.B12 J1#2.S1 R2#5.2 R4#6.1 R5#8.2 TP4#4.1 U1#4.31 U1#4.45 U1#4.49 U2#7.2 U3.2 Y1#5.2 Y1#5.4
Board_1-Net-(BT1-+): BT1#8.1 C12#5.1 U2#7.1 U2#7.3 U3.3
Board_1-Net-(D1-K): D1#4.1 R1#6.2 U1#4.28
Board_1-Net-(D2-A): D2.2 R3#2.2
Board_1-Net-(D2-K): D2.1 U3.1
Board_1-Net-(J1-CC1): J1#2.A5 R4#6.2
Board_1-Net-(J1-CC2): J1#2.B5 R5#8.1
Board_1-Net-(U1-DEC1): C8#4.1 U1#4.1
Board_1-Net-(U1-DEC3): C7#2.1 U1#4.33
Board_1-Net-(U1-DEC4): C6#8.1 U1#4.46
Board_1-Net-(U1-NFC1/P0.09): C9.2 C10#5.1 U1#4.11 U1#4.12
Board_1-Net-(U1-P0.21/~{RESET}): TP3#2.1 U1#4.24
Board_1-Net-(U1-P0.22): R1#6.1 U1#4.27
Board_1-Net-(U1-SWDCLK): TP2#6.1 U1#4.25
Board_1-Net-(U1-SWDIO): TP1.1 U1#4.26
Board_1-Net-(U1-XC1): C1#3.1 U1#4.34 Y1#5.1
Board_1-Net-(U1-XC2): C2#4.1 U1#4.35 Y1#5.3
Board_1-Net-(U3-PROG): R2#5.1 U3.5
Board_1-Net-(U3-V_{CC}): C13#5.1 J1#2.A4 J1#2.A9 J1#2.B4 J1#2.B9 R3#2.1 U3.4
Board_1-unconnected-(J1-D+-PadA6): J1#2.A6
Board_1-unconnected-(J1-D+-PadB6): J1#2.B6
Board_1-unconnected-(J1-D--PadA7): J1#2.A7
Board_1-unconnected-(J1-D--PadB7): J1#2.B7
Board_1-unconnected-(J1-SBU1-PadA8): J1#2.A8
Board_1-unconnected-(J1-SBU2-PadB8): J1#2.B8
Board_1-unconnected-(U1-ANT-Pad30): U1#4.30
Board_1-unconnected-(U1-DCC-Pad47): U1#4.47
Board_1-unconnected-(U1-DEC2-Pad32): U1#4.32
Board_1-unconnected-(U1-NC-Pad44): U1#4.44
Board_1-unconnected-(U1-P0.00/XL1-Pad2): U1#4.2
Board_1-unconnected-(U1-P0.01/XL2-Pad3): U1#4.3
Board_1-unconnected-(U1-P0.02/AIN0-Pad4): U1#4.4
Board_1-unconnected-(U1-P0.03/AIN1-Pad5): U1#4.5
Board_1-unconnected-(U1-P0.04/AIN2-Pad6): U1#4.6
Board_1-unconnected-(U1-P0.05/AIN3-Pad7): U1#4.7
Board_1-unconnected-(U1-P0.06-Pad8): U1#4.8
Board_1-unconnected-(U1-P0.07-Pad9): U1#4.9
Board_1-unconnected-(U1-P0.08-Pad10): U1#4.10
Board_1-unconnected-(U1-P0.11-Pad14): U1#4.14
Board_1-unconnected-(U1-P0.12-Pad15): U1#4.15
Board_1-unconnected-(U1-P0.13-Pad16): U1#4.16
Board_1-unconnected-(U1-P0.14-Pad17): U1#4.17
Board_1-unconnected-(U1-P0.15-Pad18): U1#4.18
Board_1-unconnected-(U1-P0.16-Pad19): U1#4.19
Board_1-unconnected-(U1-P0.17-Pad20): U1#4.20
Board_1-unconnected-(U1-P0.18/SWO-Pad21): U1#4.21
Board_1-unconnected-(U1-P0.19-Pad22): U1#4.22
Board_1-unconnected-(U1-P0.20-Pad23): U1#4.23
Board_1-unconnected-(U1-P0.24-Pad29): U1#4.29
Board_1-unconnected-(U1-P0.25-Pad37): U1#4.37
Board_1-unconnected-(U1-P0.26-Pad38): U1#4.38
Board_1-unconnected-(U1-P0.27-Pad39): U1#4.39
Board_1-unconnected-(U1-P0.28/AIN4-Pad40): U1#4.40
Board_1-unconnected-(U1-P0.29/AIN5-Pad41): U1#4.41
Board_1-unconnected-(U1-P0.30/AIN6-Pad42): U1#4.42
Board_1-unconnected-(U1-P0.31/AIN7-Pad43): U1#4.43
Board_1-unconnected-(U2-NC-Pad4): U2#7.4
Board_2-+3.3V: C3#4.1 C4#4.1 C5#6.1 C11#6.1 D1.2 TP5#6.1 U1#6.13 U1#6.36 U1#6.48 U2.5
Board_2-GND: BT1#2.2 C1#7.2 C2#8.2 C3#4.2 C4#4.2 C5#6.2 C6#4.2 C7#4.2 C8#2.2 C9#4.1 C10#3.2 C11#6.2 C12#8.2 C13#6.2 J1#3.A1 J1#3.A12 J1#3.B1 J1#3.B12 J1#3.S1 R2#3.2 R4#4.1 R5#4.2 TP4.1 U1#6.31 U1#6.45 U1#6.49 U2.2 U3#6.2 Y1#7.2 Y1#7.4
Board_2-Net-(BT1-+): BT1#2.1 C12#8.1 U2.1 U2.3 U3#6.3
Board_2-Net-(D1-K): D1.1 R1#8.2 U1#6.28
Board_2-Net-(D2-A): D2#4.2 R3#7.2
Board_2-Net-(D2-K): D2#4.1 U3#6.1
Board_2-Net-(J1-CC1): J1#3.A5 R4#4.2
Board_2-Net-(J1-CC2): J1#3.B5 R5#4.1
Board_2-Net-(U1-DEC1): C8#2.1 U1#6.1
Board_2-Net-(U1-DEC3): C7#4.1 U1#6.33
Board_2-Net-(U1-DEC4): C6#4.1 U1#6.46
Board_2-Net-(U1-NFC1/P0.09): C9#4.2 C10#3.1 U1#6.11 U1#6.12
Board_2-Net-(U1-P0.21/~{RESET}): TP3#6.1 U1#6.24
Board_2-Net-(U1-P0.22): R1#8.1 U1#6.27
Board_2-Net-(U1-SWDCLK): TP2#2.1 U1#6.25
Board_2-Net-(U1-SWDIO): TP1#7.1 U1#6.26
Board_2-Net-(U1-XC1): C1#7.1 U1#6.34 Y1#7.1
Board_2-Net-(U1-XC2): C2#8.1 U1#6.35 Y1#7.3
Board_2-Net-(U3-PROG): R2#3.1 U3#6.5
Board_2-Net-(U3-V_{CC}): C13#6.1 J1#3.A4 J1#3.A9 J1#3.B4 J1#3.B9 R3#7.1 U3#6.4
Board_2-unconnected-(J1-D+-PadA6): J1#3.A6
Board_2-unconnected-(J1-D+-PadB6): J1#3.B6
Board_2-unconnected-(J1-D--PadA7): J1#3.A7
Board_2-unconnected-(J1-D--PadB7): J1#3.B7
Board_2-unconnected-(J1-SBU1-PadA8): J1#3.A8
Board_2-unconnected-(J1-SBU2-PadB8): J1#3.B8
Board_2-unconnected-(U1-ANT-Pad30): U1#6.30
Board_2-unconnected-(U1-DCC-Pad47): U1#6.47
Board_2-unconnected-(U1-DEC2-Pad32): U1#6.32
Board_2-unconnected-(U1-NC-Pad44): U1#6.44
Board_2-unconnected-(U1-P0.00/XL1-Pad2): U1#6.2
Board_2-unconnected-(U1-P0.01/XL2-Pad3): U1#6.3
Board_2-unconnected-(U1-P0.02/AIN0-Pad4): U1#6.4
Board_2-unconnected-(U1-P0.03/AIN1-Pad5): U1#6.5
Board_2-unconnected-(U1-P0.04/AIN2-Pad6): U1#6.6
Board_2-unconnected-(U1-P0.05/AIN3-Pad7): U1#6.7
Board_2-unconnected-(U1-P0.06-Pad8): U1#6.8
Board_2-unconnected-(U1-P0.07-Pad9): U1#6.9
Board_2-unconnected-(U1-P0.08-Pad10): U1#6.10
Board_2-unconnected-(U1-P0.11-Pad14): U1#6.14
Board_2-unconnected-(U1-P0.12-Pad15): U1#6.15
Board_2-unconnected-(U1-P0.13-Pad16): U1#6.16
Board_2-unconnected-(U1-P0.14-Pad17): U1#6.17
Board_2-unconnected-(U1-P0.15-Pad18): U1#6.18
Board_2-unconnected-(U1-P0.16-Pad19): U1#6.19
Board_2-unconnected-(U1-P0.17-Pad20): U1#6.20
Board_2-unconnected-(U1-P0.18/SWO-Pad21): U1#6.21
Board_2-unconnected-(U1-P0.19-Pad22): U1#6.22
Board_2-unconnected-(U1-P0.20-Pad23): U1#6.23
Board_2-unconnected-(U1-P0.24-Pad29): U1#6.29
Board_2-unconnected-(U1-P0.25-Pad37): U1#6.37
Board_2-unconnected-(U1-P0.26-Pad38): U1#6.38
Board_2-unconnected-(U1-P0.27-Pad39): U1#6.39
Board_2-unconnected-(U1-P0.28/AIN4-Pad40): U1#6.40
Board_2-unconnected-(U1-P0.29/AIN5-Pad41): U1#6.41
Board_2-unconnected-(U1-P0.30/AIN6-Pad42): U1#6.42
Board_2-unconnected-(U1-P0.31/AIN7-Pad43): U1#6.43
Board_2-unconnected-(U2-NC-Pad4): U2.4
Board_3-+3.3V: C3#7.1 C4.1 C5#4.1 C11#2.1 D1#5.2 TP5#2.1 U1#2.13 U1#2.36 U1#2.48 U2#2.5
Board_3-GND: BT1#4.2 C1#8.2 C2.2 C3#7.2 C4.2 C5#4.2 C6#5.2 C7#5.2 C8#6.2 C9#7.1 C10#2.2 C11#2.2 C12#4.2 C13#7.2 J1#7.A1 J1#7.A12 J1#7.B1 J1#7.B12 J1#7.S1 R2#8.2 R4#3.1 R5#2.2 TP4#6.1 U1#2.31 U1#2.45 U1#2.49 U2#2.2 U3#2.2 Y1#2.2 Y1#2.4
Board_3-Net-(BT1-+): BT1#4.1 C12#4.1 U2#2.1 U2#2.3 U3#2.3
Board_3-Net-(D1-K): D1#5.1 R1#5.2 U1#2.28
Board_3-Net-(D2-A): D2#2.2 R3#4.2
Board_3-Net-(D2-K): D2#2.1 U3#2.1
Board_3-Net-(J1-CC1): J1#7.A5 R4#3.2
Board_3-Net-(J1-CC2): J1#7.B5 R5#2.1
Board_3-Net-(U1-DEC1): C8#6.1 U1#2.1
Board_3-Net-(U1-DEC3): C7#5.1 U1#2.33
Board_3-Net-(U1-DEC4): C6#5.1 U1#2.46
Board_3-Net-(U1-NFC1/P0.09): C9#7.2 C10#2.1 U1#2.11 U1#2.12
Board_3-Net-(U1-P0.21/~{RESET}): TP3#3.1 U1#2.24
Board_3-Net-(U1-P0.22): R1#5.1 U1#2.27
Board_3-Net-(U1-SWDCLK): TP2#7.1 U1#2.25
Board_3-Net-(U1-SWDIO): TP1#3.1 U1#2.26
Board_3-Net-(U1-XC1): C1#8.1 U1#2.34 Y1#2.1
Board_3-Net-(U1-XC2): C2.1 U1#2.35 Y1#2.3
Board_3-Net-(U3-PROG): R2#8.1 U3#2.5
Board_3-Net-(U3-V_{CC}): C13#7.1 J1#7.A4 J1#7.A9 J1#7.B4 J1#7.B9 R3#4.1 U3#2.4
Board_3-unconnected-(J1-D+-PadA6): J1#7.A6
Board_3-unconnected-(J1-D+-PadB6): J1#7.B6
Board_3-unconnected-(J1-D--PadA7): J1#7.A7
Board_3-unconnected-(J1-D--PadB7): J1#7.B7
Board_3-unconnected-(J1-SBU1-PadA8): J1#7.A8
Board_3-unconnected-(J1-SBU2-PadB8): J1#7.B8
Board_3-unconnected-(U1-ANT-Pad30): U1#2.30
Board_3-unconnected-(U1-DCC-Pad47): U1#2.47
Board_3-unconnected-(U1-DEC2-Pad32): U1#2.32
Board_3-unconnected-(U1-NC-Pad44): U1#2.44
Board_3-unconnected-(U1-P0.00/XL1-Pad2): U1#2.2
Board_3-unconnected-(U1-P0.01/XL2-Pad3): U1#2.3
Board_3-unconnected-(U1-P0.02/AIN0-Pad4): U1#2.4
Board_3-unconnected-(U1-P0.03/AIN1-Pad5): U1#2.5
Board_3-unconnected-(U1-P0.04/AIN2-Pad6): U1#2.6
Board_3-unconnected-(U1-P0.05/AIN3-Pad7): U1#2.7
Board_3-unconnected-(U1-P0.06-Pad8): U1#2.8
Board_3-unconnected-(U1-P0.07-Pad9): U1#2.9
